# Altium PCB WCAM-BREAKOUT-PCB-R03.PcbDoc (part 1 of 2)
Units mm, origin at the board's own origin, x right, y up, seen from the top; angles counter-clockwise.
Board outline 42.7 x 48.05 mm, 4 copper layers (Top Layer, Mid1, Mid2, Bottom Layer), stack 1.586 mm thick; 114 components, 74 nets, 347 pads, 271 vias.
Unrouted connection lines stored in the file: 147.
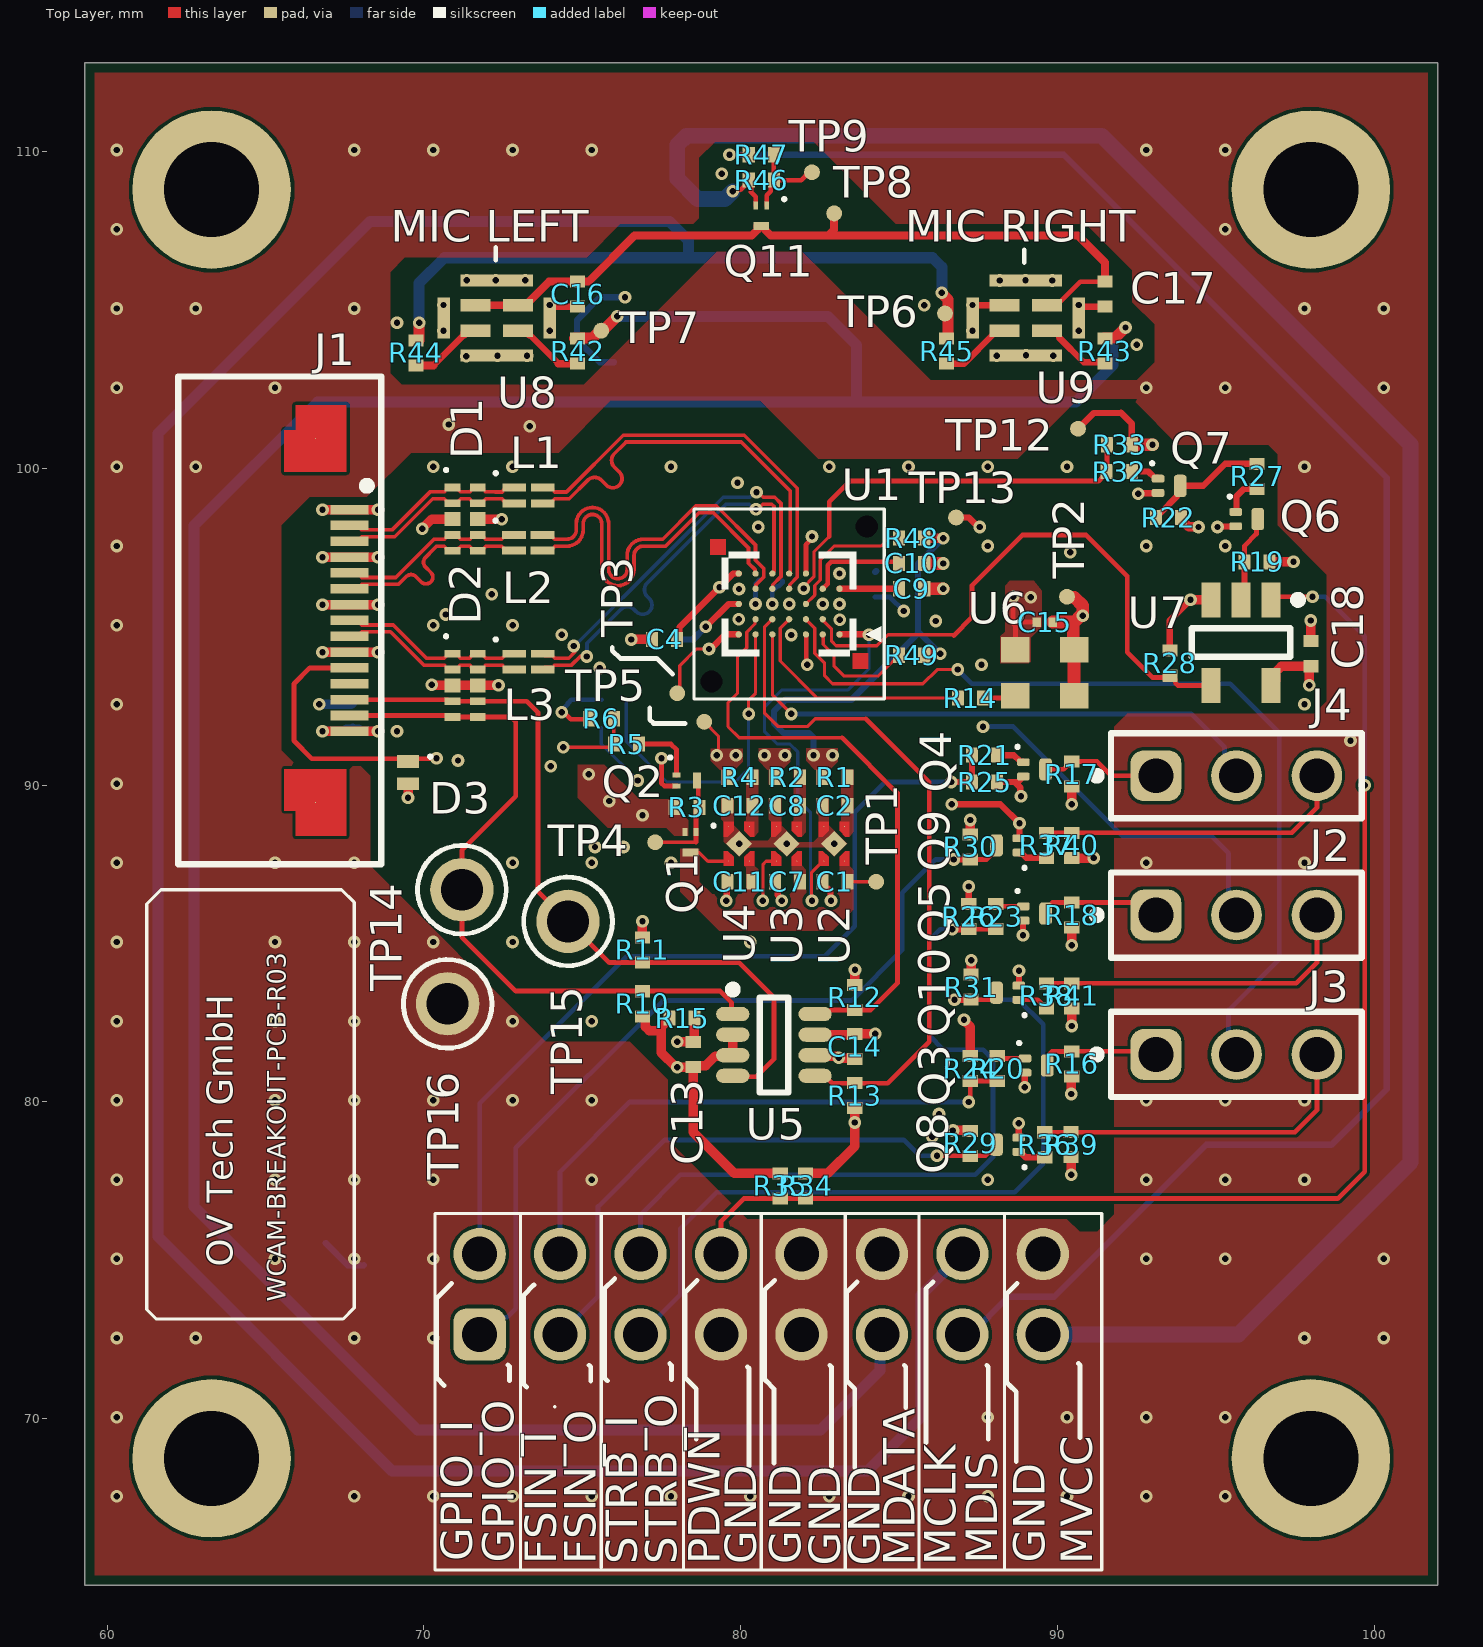
[diagram p0: Top Layer view]
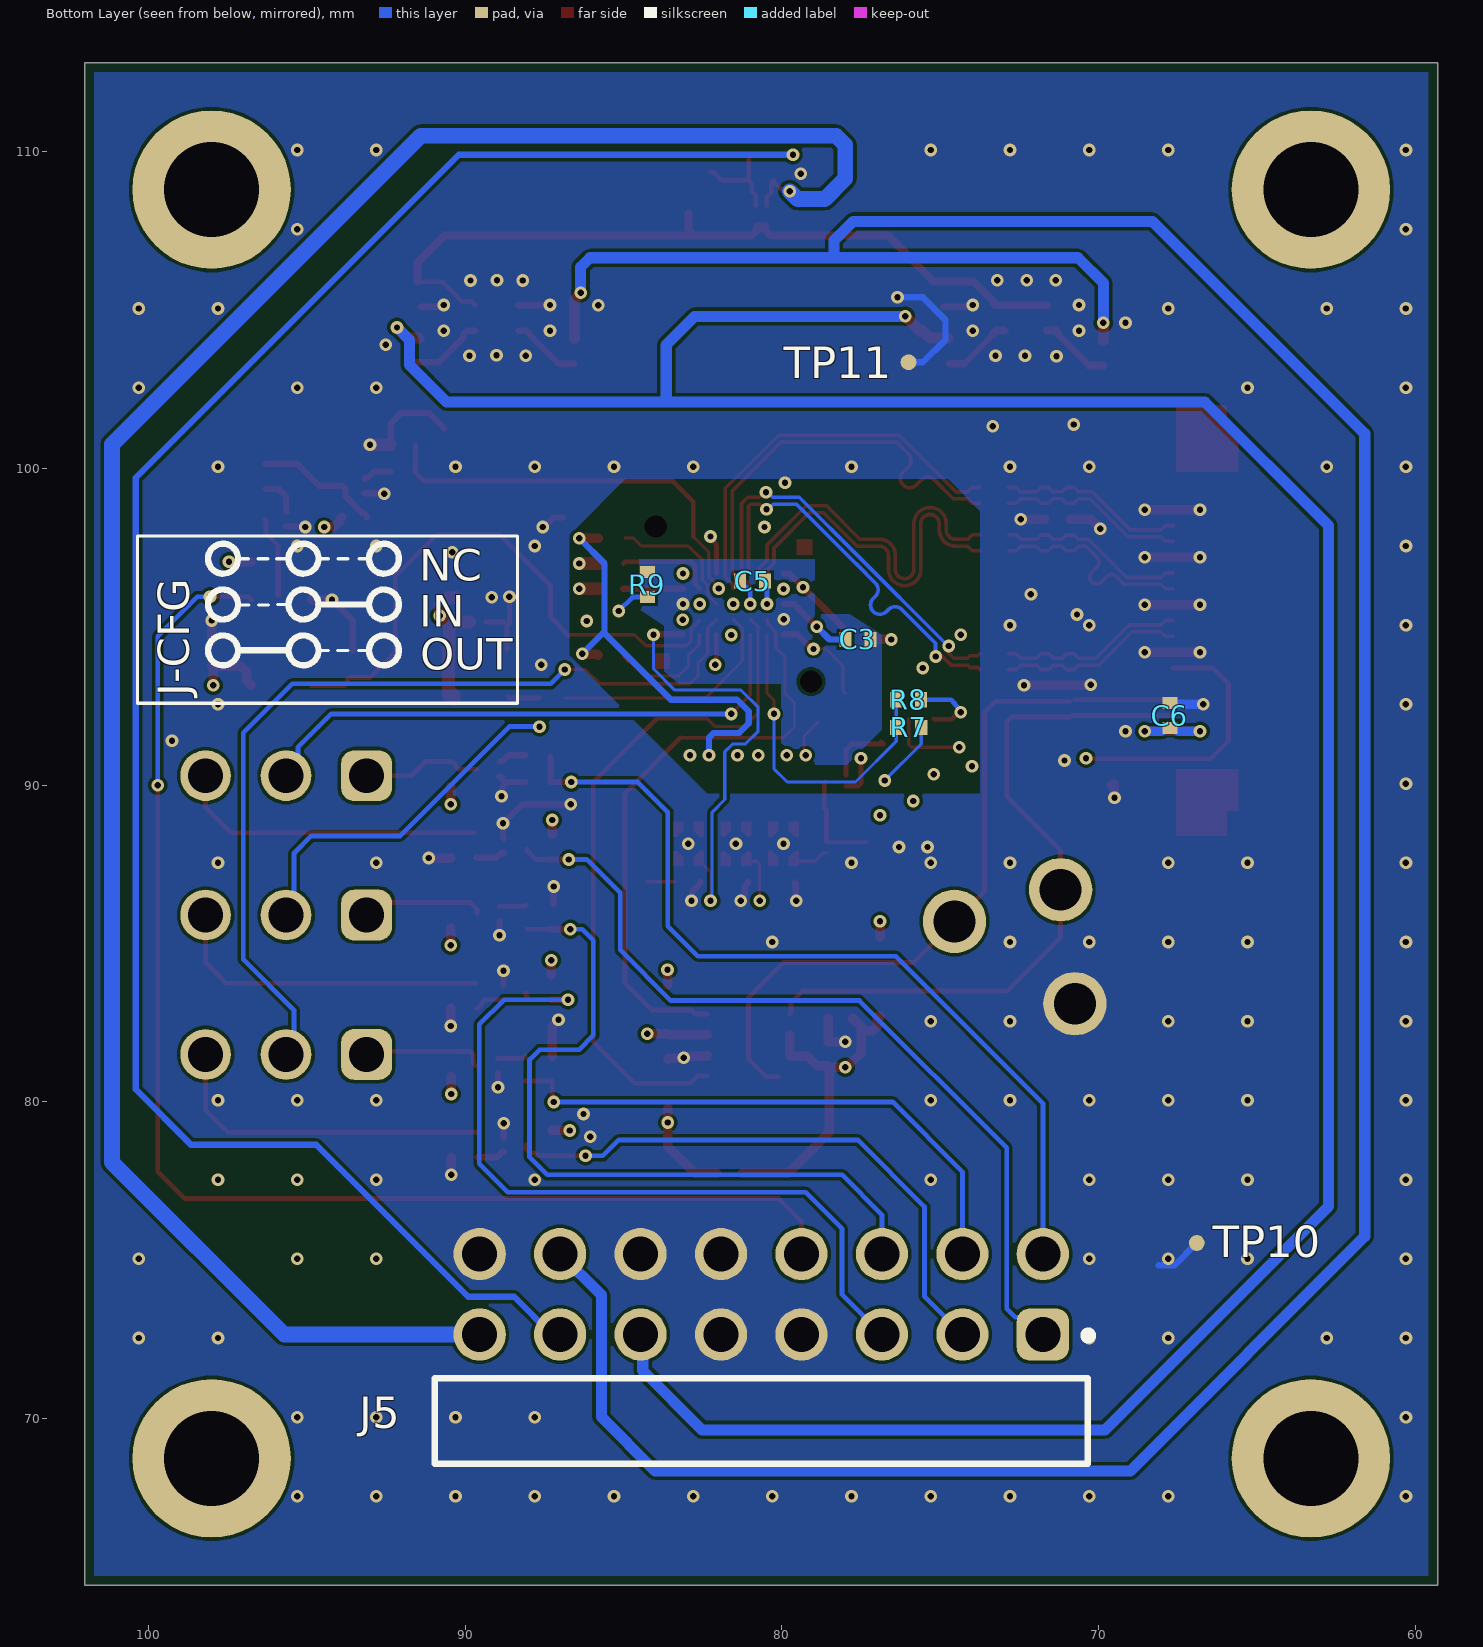
[diagram p1: Bottom Layer view, seen from below]
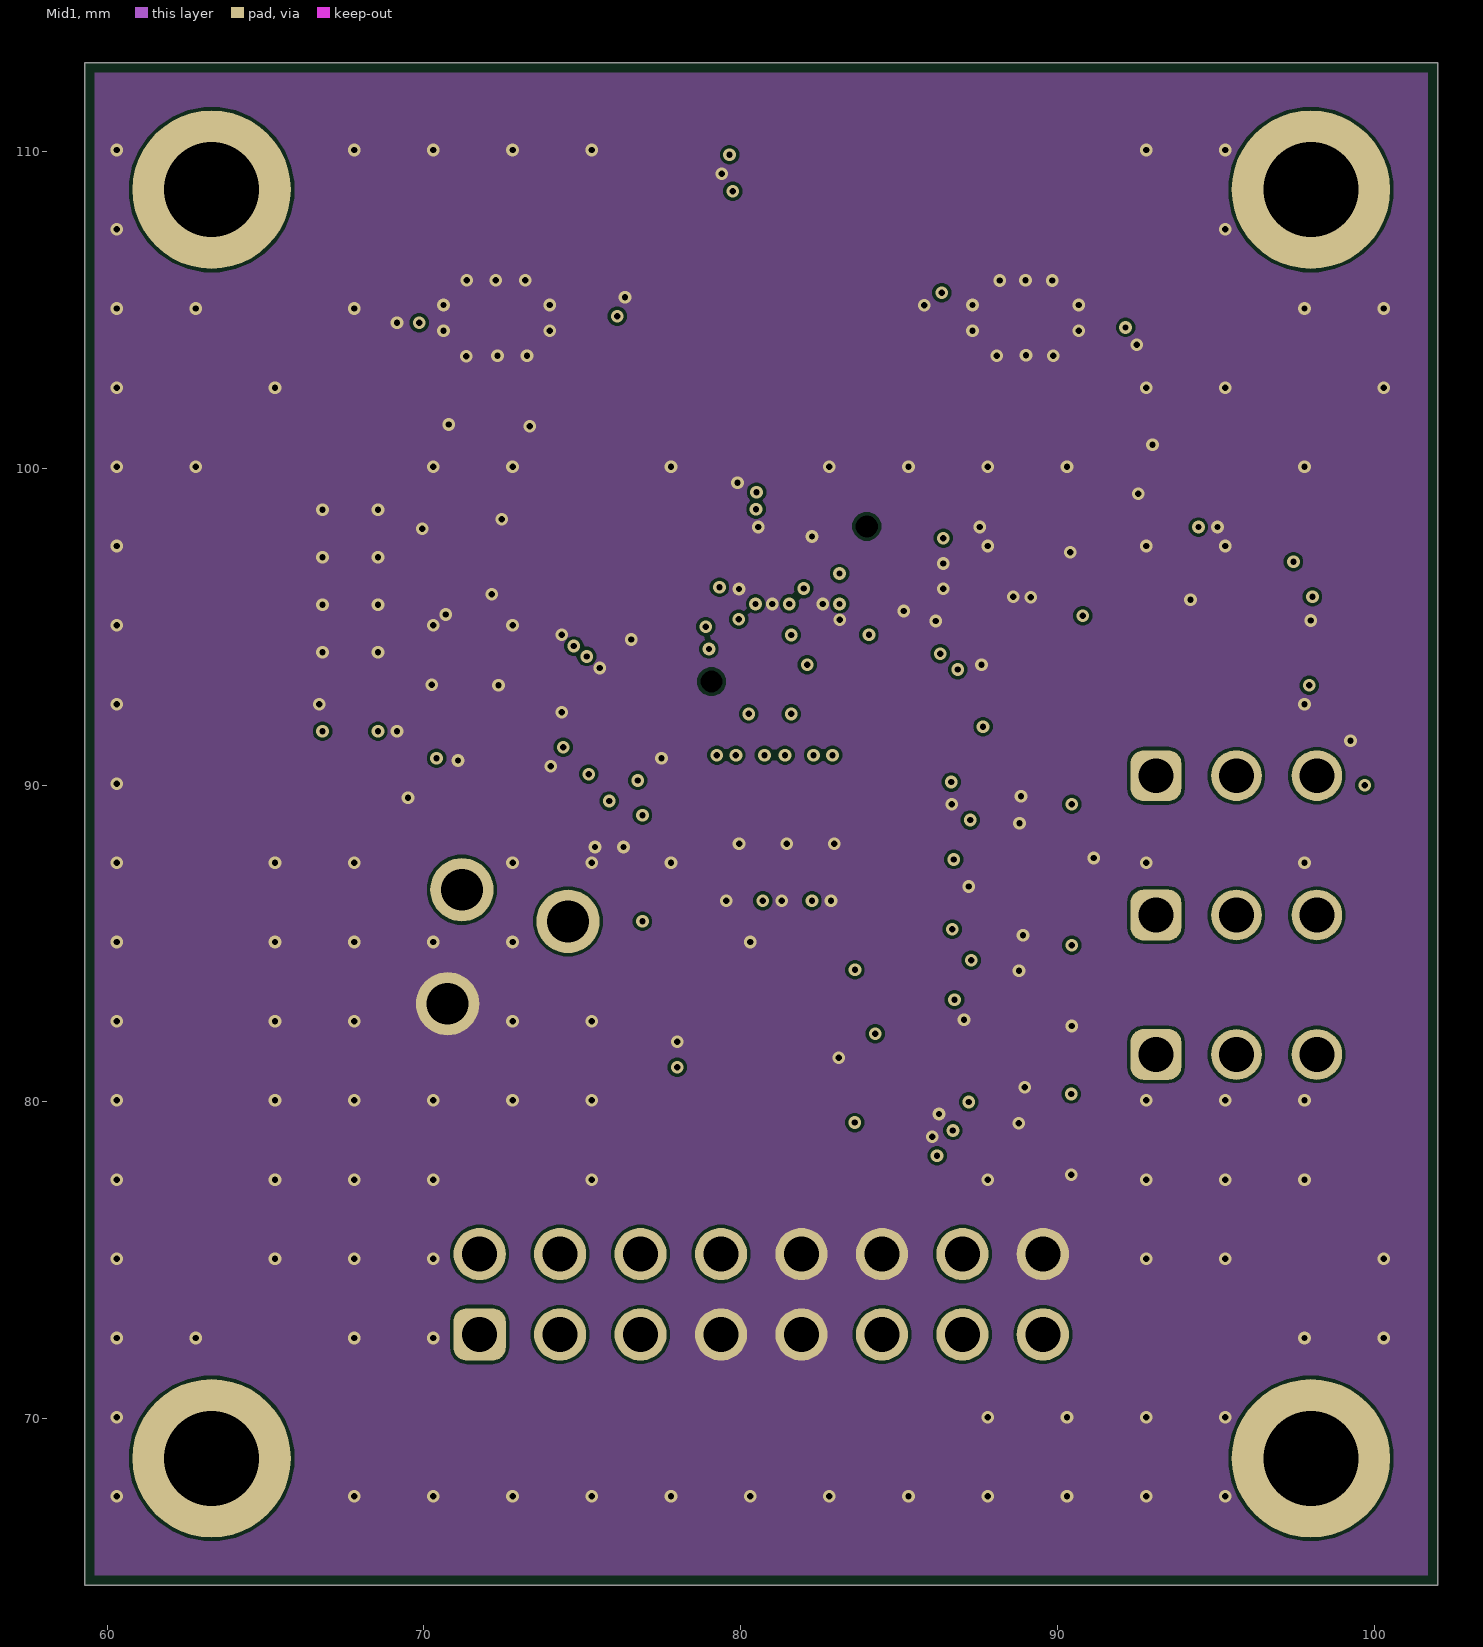
[diagram p2: Mid1]
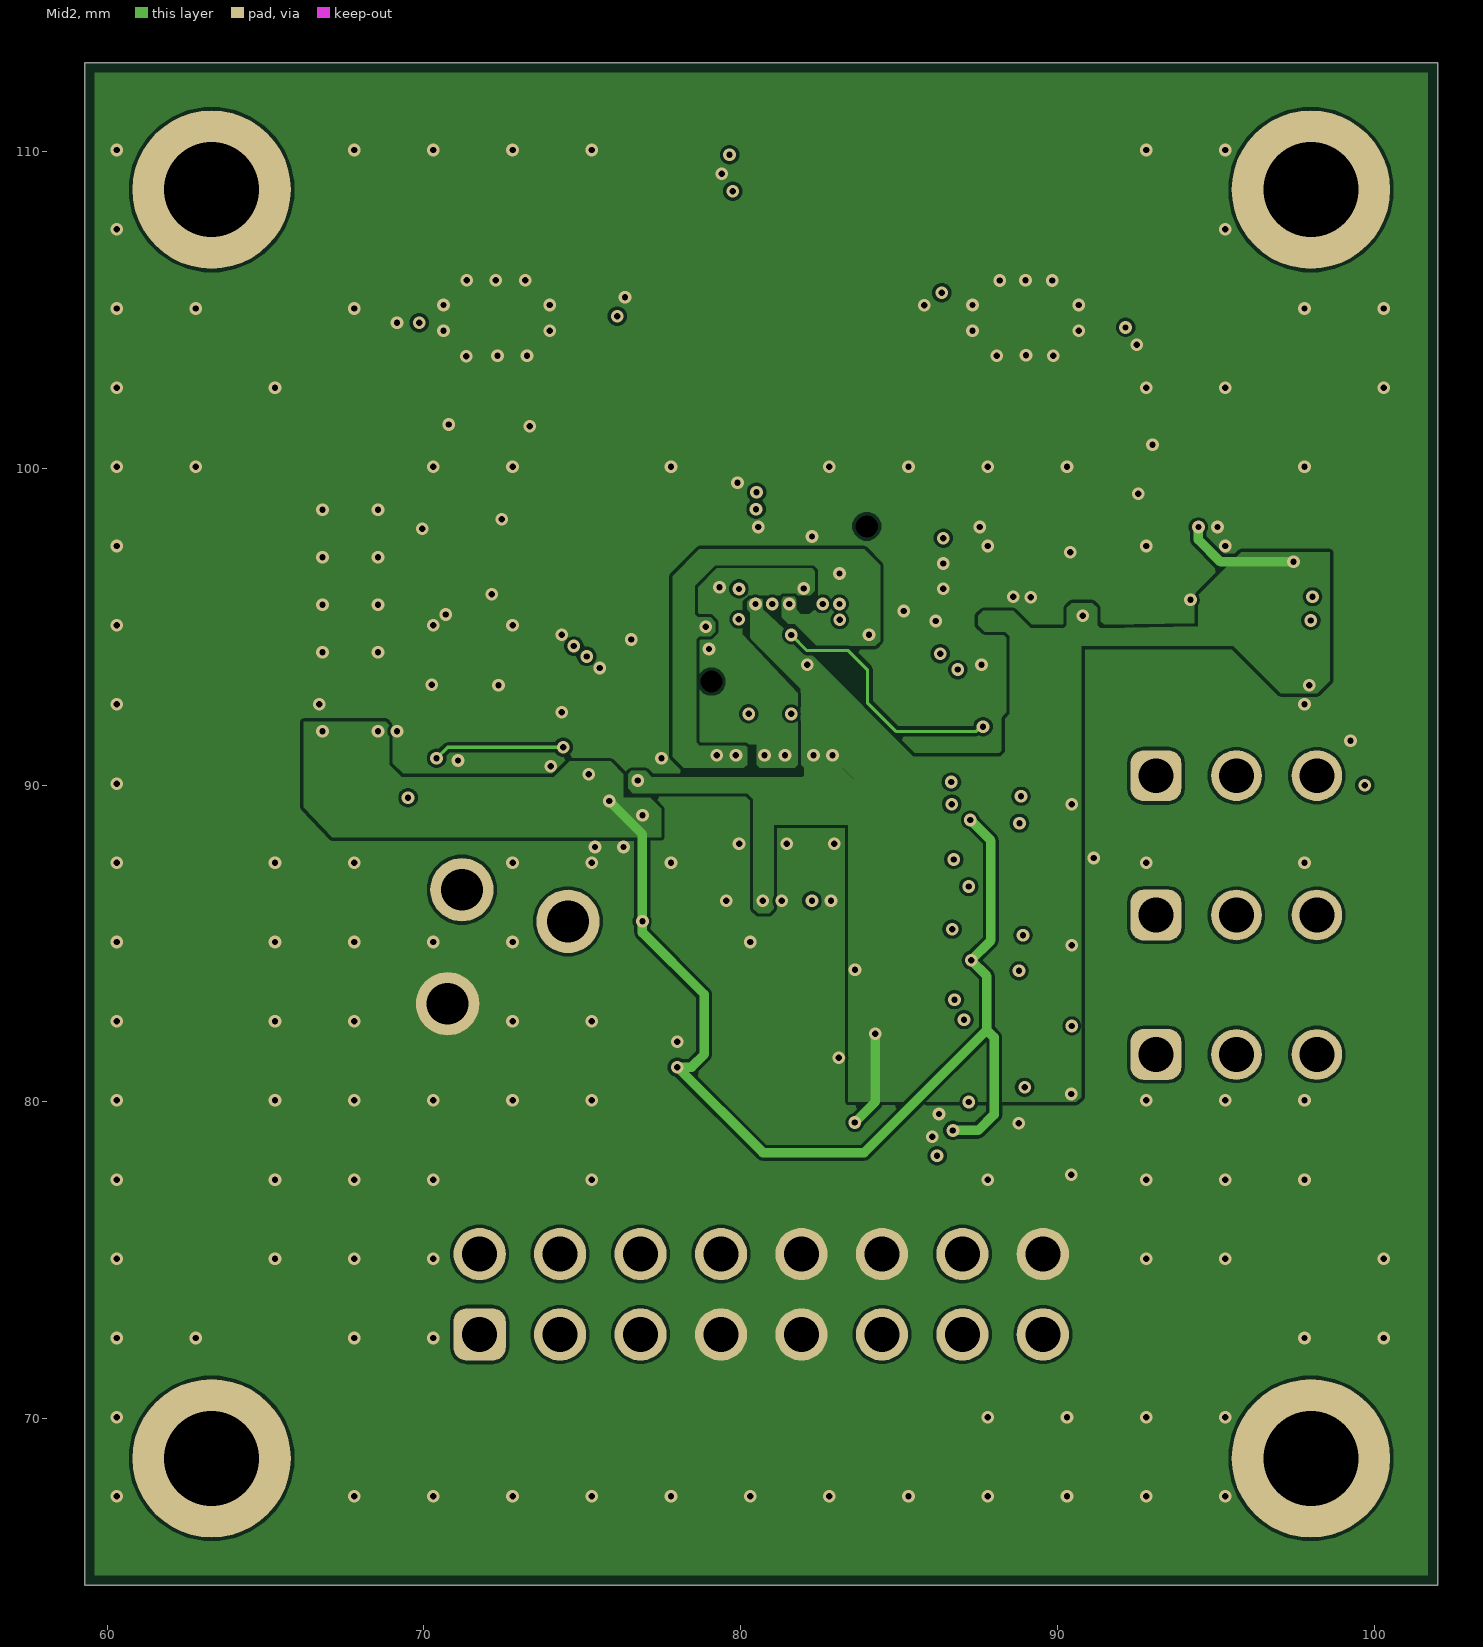
[diagram p3: Mid2]
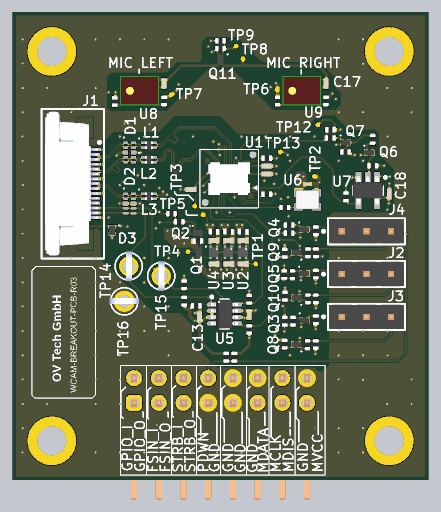
[diagram p5: 3D render of the assembled board from above, using the file's embedded part models]
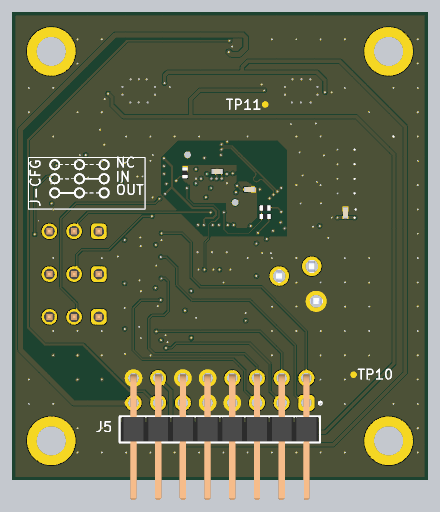
[diagram p6: 3D render of the assembled board from below, using the file's embedded part models]

## Layer stack, top to bottom
Top Solder: solder mask 0.0102, Solder Resist, Dk 3.8
Top Layer: signal copper 0.035
Dielectric 2: prepreg 0.2104, PP-022, Dk 4.4
Mid1: signal copper 0.0152
Dielectric 1: core 1.065, FR-4, Dk 4.6
Mid2: signal copper 0.0152
Dielectric 3: prepreg 0.2104, PP-022, Dk 4.4
Bottom Layer: signal copper 0.035
Bottom Solder: solder mask 0.0102, Solder Resist, Dk 3.8

## Board outline
59.3,64.75 59.3,112.8 102,112.8 102,64.75

## Design rules (kind name [scope] priority, off if disabled: settings)
BoardOutlineClearance [All] p1: gap=0.3 ignorepadtopadclearanceinfootprint=FALSE
Clearance [All] p1: gap=0.1 ignorepadtopadclearanceinfootprint=TRUE
ComponentClearance [All] p1: gap=0.1 collisioncheckmode=3 verticalgap=0.254 showdistances=FALSE
DiffPairsRouting [All] p1: maxlimit=0.127 minlimit=0.102 mostfreqgap=0.127 toplayer_maxgap=0.102 toplayer_prefgap=0.102 toplayer_minwidth=0.117 toplayer_maxwidth=0.117 toplayer_prefwidth=0.117 bottomlayer_maxgap=0.102 bottomlayer_prefgap=0.102 bottomlayer_minwidth=0.117 bottomlayer_maxwidth=0.117 bottomlayer_prefwidth=0.117 impedanceprofiledriven=TRUE impedanceprofileid={4F782867-28E3-4210-9EA7-0F3DD76F8741} impedanceprofilevalue=100.000000 maxuncoupledlength=12.7
HoleSize [All] p1: absolutevalues=TRUE maxlimit=6.3 minlimit=0.2 maxpercent=80.000 minpercent=20.000
HoleToHoleClearance [not IsVia] p1: gap=0.5 allowstackedmicrovias=TRUE
MatchedLengths MIPI_CSI2_INTRA [InxSignalClass('MIPI-CSI')] p1: tolerance=25.4 checknetsindiffpair=TRUE checkdiffpairvsdiffpair=FALSE checkxsignals=FALSE checkothers=FALSE usedelayunits=TRUE delaytolerance=1.000000
MatchedLengths MIPI_CSI2_INTER [InxSignalClass('MIPI-CSI')] p2: tolerance=25.4 checknetsindiffpair=FALSE checkdiffpairvsdiffpair=TRUE checkxsignals=TRUE checkothers=TRUE usedelayunits=TRUE delaytolerance=5.000000
MinimumAnnularRing [All] p1 off: minimumring=0.15
MinimumSolderMaskSliver [All] p1: minsoldermaskwidth=0.04
PolygonConnect [All] p1: connectstyle=Direct reliefconductorwidth=0.254 reliefentries=4 polygonreliefangle="90 Angle" airgapwidth=0.254
RoutingVias [All] p1: holewidth=0.2 width=0.6 viastyle="Through Hole" minholewidth=0.2 minwidth=0.4 maxholewidth=6.3 maxwidth=0.8
SilkToSilkClearance [All] p1 off: silktosilkclearance=0.01
SilkToSolderMaskClearance [IsPad] p1: minsilkscreentomaskgap=0.2 clearancetoexposedcopper=TRUE
SolderMaskExpansion SolderMaskExpansion_Via [isVia] p1: expansion=0.039 istentingtop=FALSE
SolderMaskExpansion [All] p2: expansion=0.08 istentingtop=FALSE
SupplyNets "Schematic Supply Nets_8" [InNet('DOVDD')] p1: voltage=0.000
SupplyNets "Schematic Supply Nets_7" [InNet('VCC3.3MIC')] p2: voltage=0.000
SupplyNets "Schematic Supply Nets_6" [InNet('DVDD')] p3: voltage=0.000
SupplyNets "Schematic Supply Nets_4" [InNet('AGND')] p4: voltage=0.000
SupplyNets "Schematic Supply Nets_3" [InNet('VCC_MIC')] p5: voltage=0.000
SupplyNets "Schematic Supply Nets_2" [InNet('VCC3.3')] p6: voltage=0.000
SupplyNets "Schematic Supply Nets_1" [InNet('GND')] p7: voltage=0.000
SupplyNets "Schematic Supply Nets" [InNet('AVDD')] p8: voltage=0.000
Width Width_S50 [InNetClass('S50')] p1: maxlimit=0.349 minlimit=0.271 preferedwidth=0.349 toplayer_minwidth=0.349 midlayer1_maxwidth=0.271 midlayer1_prefwidth=0.271 midlayer2_maxwidth=0.271 midlayer2_prefwidth=0.271 bottomlayer_minwidth=0.349 impedanceprofiledriven=TRUE impedanceprofileid={67421C4B-4B18-4427-99A0-1C533C3F5F29} impedanceprofilevalue=50.000000 minimp=50.000000 maximp=50.000000 favimp=50.000000
Width [All] p2: maxlimit=10 minlimit=0.1 preferedwidth=0.2
23 further rules are at their usual default settings.

## Classes and differential pairs
net class S50: MIC_CLK MIC_DATA
differential pair class DIFF100: CON_CSI_CLK CON_CSI_D0 CON_CSI_D1 CSI_CLK CSI_D0 CSI_D1
net class PWR: VCC3.3MIC VCC_MIC
differential pair CSI_D1: +CSI_D1_P -CSI_D1_N
differential pair CSI_D0: +CSI_D0_P -CSI_D0_N
differential pair CSI_CLK: +CSI_CLK_P -CSI_CLK_N
differential pair CON_CSI_D1: +CON_CSI_D1_P -CON_CSI_D1_N
differential pair CON_CSI_D0: +CON_CSI_D0_P -CON_CSI_D0_N
differential pair CON_CSI_CLK: +CON_CSI_CLK_P -CON_CSI_CLK_N
